# Altium PCB PCB1.PcbDoc
Units mil, origin at the board's own origin, x right, y up, seen from the top; angles counter-clockwise.
Board outline 6000 x 4000 mil, 2 copper layers (Top Layer, Bottom Layer); 11 components, 14 nets, 38 pads, 8 vias.
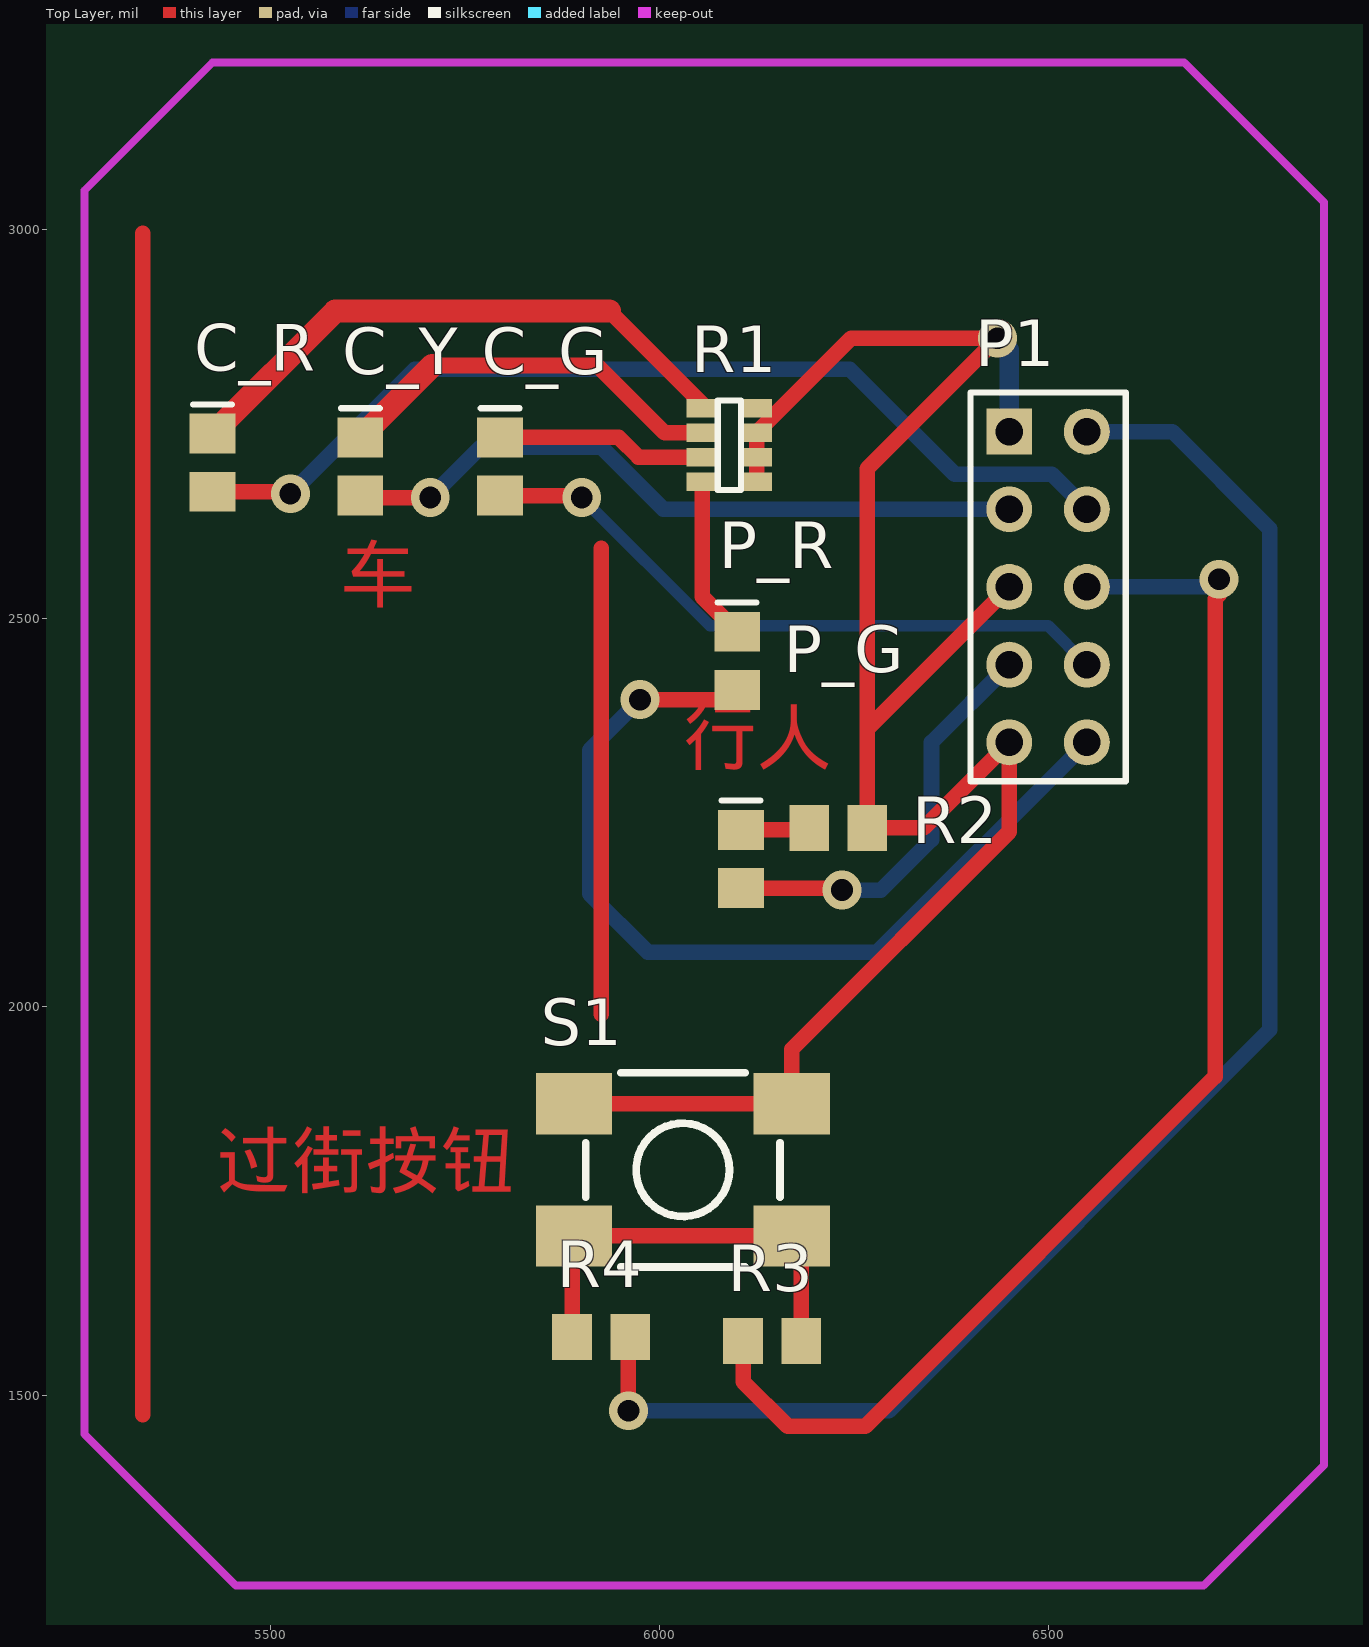
[diagram p0: Top Layer view]
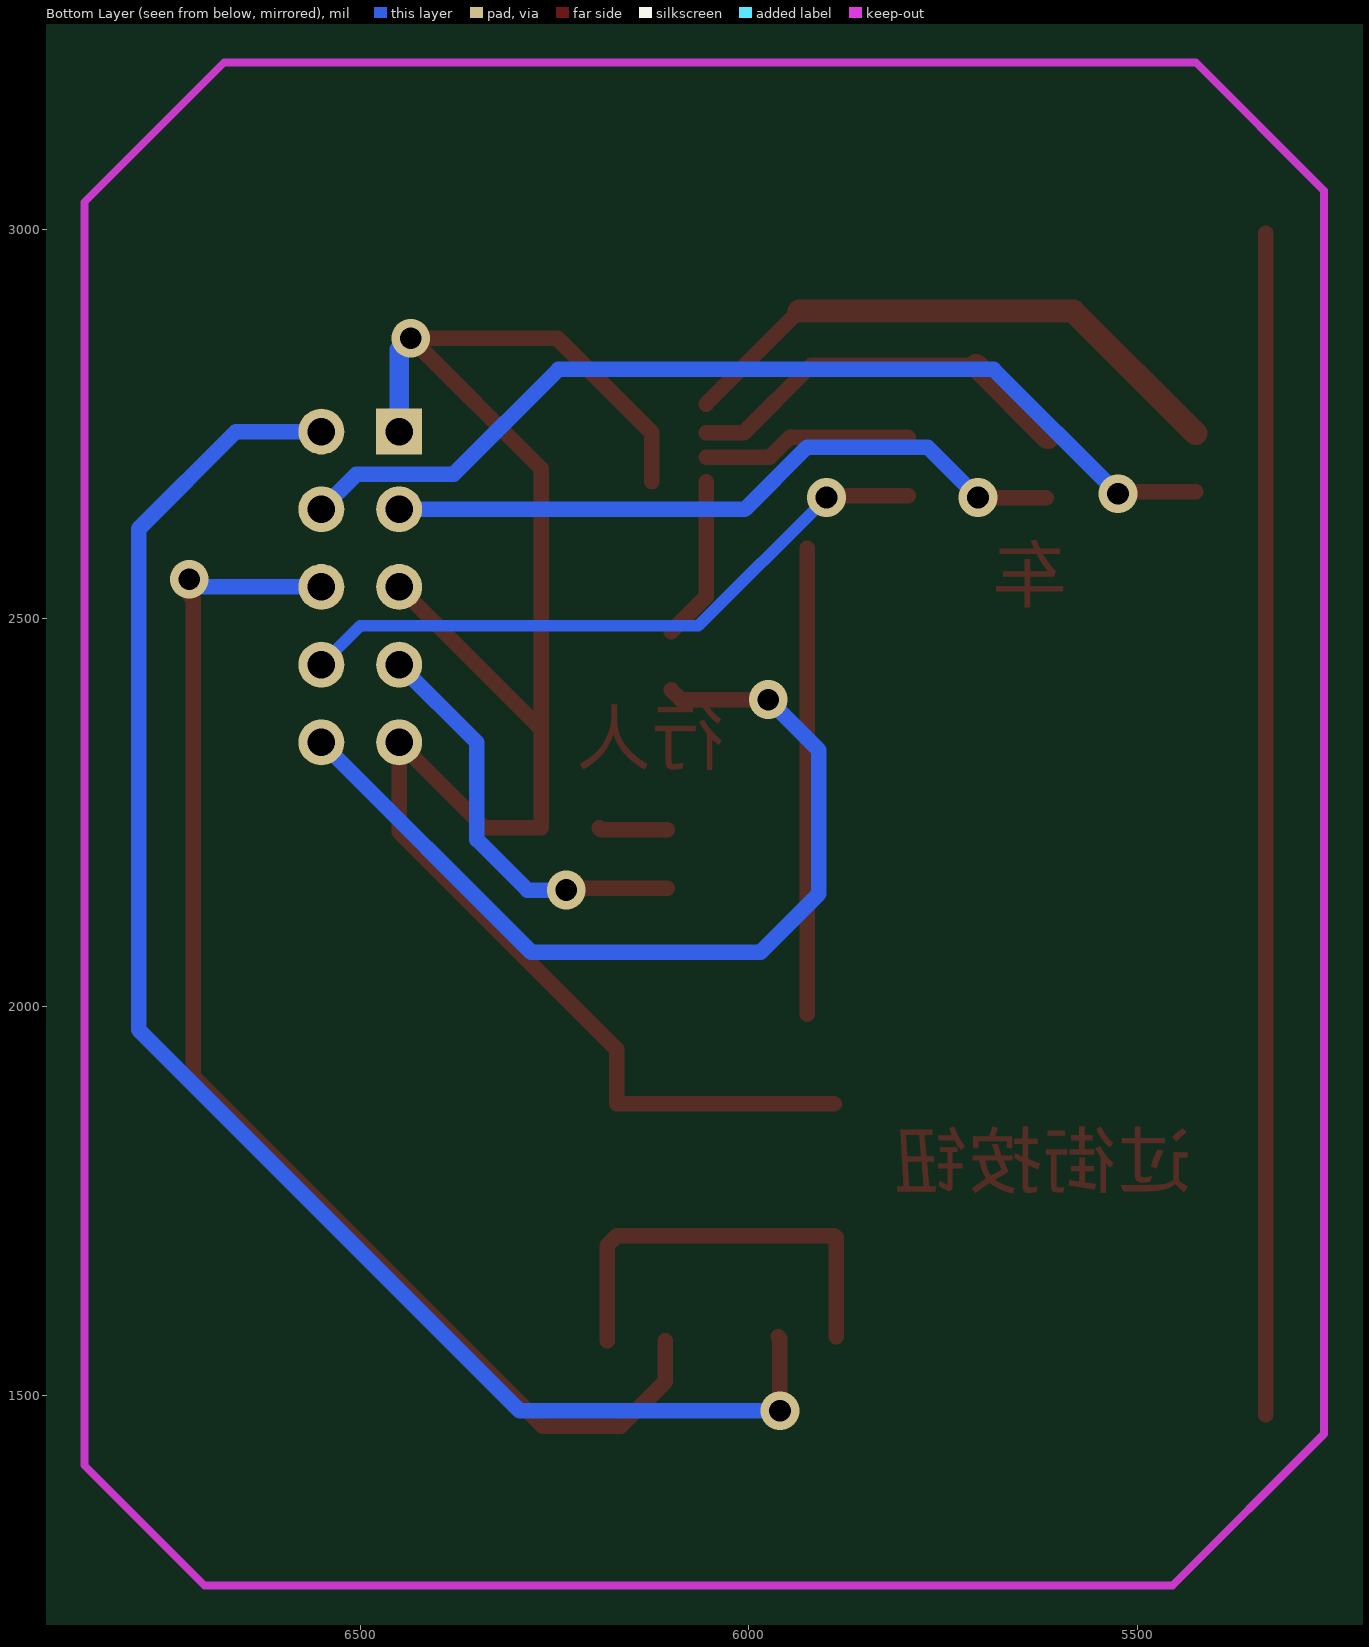
[diagram p1: Bottom Layer view, seen from below]

## Layer stack, top to bottom
Top Solder: solder mask 0.4, Solder Resist, Dk 3.5
Top Layer: signal copper 1.4
Dielectric 1: dielectric 12.6, FR-4, Dk 4.8
Bottom Layer: signal copper 1.4
Bottom Solder: solder mask 0.4, Solder Resist, Dk 3.5

## Board outline
1000,1000 7000,1000 7000,5000 1000,5000

## Design rules (kind name [scope] priority, off if disabled: settings)
Clearance [All] p1: gap=5
PolygonConnect [All] p1: connectstyle=Relief reliefconductorwidth=10 reliefentries=4 polygonreliefangle="90 Angle" airgapwidth=10
RoutingVias [All] p1: holewidth=28 width=50 viastyle="Through Hole" minholewidth=28 minwidth=50 maxholewidth=28 maxwidth=50
SolderMaskExpansion [All] p1: expansion=4
Width [All] p1: maxlimit=30 minlimit=10 preferedwidth=30 minimp=50.000000 maximp=50.000000 favimp=50.000000
30 further rules are at their usual default settings.

## Components (designator, comment, footprint, x,y, rotation, side; value= is the part's Value field where it differs from the comment)
C_G "LED0" LED_0805 5795,2695 r90 top
C_R "LED0" LED_0805 5425,2700 r90 top
C_Y "LED0" LED_0805 5615,2695 r90 top
P1 "Header 5X2" HDR5X2_A1 6450,2740 r270 top
P_G "LED0" LED_0805 6105,2190 r90 top
P_R "LED0" LED_0805 6100,2445 r90 top
R1 "1K" 8P4R_0603 6055,2770 r0 top
R2 "Res1" 0805-2 6230,2230 r0 top
R3 "Res1" 0805-2 6145,1570 r0 top
R4 "Res1" 0805-2 5925,1575 r180 top
S1 "SW-PB4" SW_PB4_A1 6030,1790 r0 top

## Footprints (in the part's own frame and the unit in brackets; to place one, negate y for a bottom-side part, rotate by r counter-clockwise, add the part's x,y. Pads: shape width x height; smd on the part's side, far side on the other; paste and mask are expansions set on the pad)
8P4R_0603 [mm]
  rect 1.016x0.6 smd: 1(0,0) 2(1.778,0) 3(0,-0.8) 4(1.778,-0.8) 5(0,-1.6) 6(1.778,-1.6) 7(0,-2.4) 8(1.778,-2.4)
  silkscreen extent 0.51,-2.67 1.27,0.25
0805-2 [mm] "贴片无丝印"
  rect 1.3x1.5 smd: 1(-0.95,0) 2(0.95,0)
HDR5X2_A1 [mm] "Connector; Header; 5x2 Position"
  rect 1.5x1.5 hole 0.9: 1(0,0)
  round 1.5 hole 0.9: 2(0,2.54) 3(2.54,0) 4(2.54,2.54) 5(5.08,0) 6(5.08,2.54) 7(7.62,0) 8(7.62,2.54) 9(10.16,0) 10(10.16,2.54)
  silkscreen extent -1.27,-1.27 11.43,3.81
LED_0805 [mm] "贴片二极管"
  rect 1.3x1.5 smd: 1(-0.95,0) 2(0.95,0)
  silkscreen extent 1.91,-0.63 1.91,0.64
SW_PB4_A1 [mil]
  rect 98.42x78.74 smd: 1(-140,85) 2(-140,-85) 3(140,-85) 4(140,85)
  silkscreen extent -125,-125 125,125, body extent -125,-125 125,125, height 236

## Part data
C_G C_R C_Y P_G P_R: "发光二极管"
P1: "接插件"
R1: library part res_8p4r
R2 R3 R4: "贴片电阻"
S1: "微动开关"

## Via types
v1: diameter 50, hole 28, Top Layer to Bottom Layer, 8 vias

## Nets (pads, with @x,y where several pads share a name; then routed paths per layer and width w, separated by ;. In a path a pad name is that pad's centre, name@x,y a point inside that pad or via, vN(x,y) a via of type N, cw(c..) or ccw(c..) an arc to the next point about the centre after c; other vN are vias at no path point)
24: C_Y.1 P1.3 | length 892.5
  Top Layer w20: C_Y.1@5617.6,2655 v1(5705,2655)
  Bottom Layer w20: v1(5705,2655) 5770,2720 5925,2720 6005,2640 P1.3
25: C_R.1 P1.4 | length 1263.2
  Top Layer w20: C_R.1 v1@5522.4,2662.6
  Bottom Layer w20: v1(5525,2660) 5685,2820 6245,2820 6380,2685 6505,2685 P1.4
26: P1.6 R3.1 | length 1686.4
  Top Layer w20: R3.1 6107.6,1517.4 6165,1460 6265,1460 6715,1910 6715,2525 6720,2530 v1(6720,2550)
  Bottom Layer w20: P1.6 6710,2540 v1(6720,2550)
27: P1.7 P_G.1 | length 539.4
  Top Layer w20: P_G.1 6232.4,2152.6 v1(6235,2150)
  Bottom Layer w20: v1(6235,2150) 6285,2150 6350,2215 6350,2340 P1.7
28: C_G.1 P1.8 | length 845.1
  Top Layer w20: C_G.1 5897.4,2657.6 v1(5900,2655)
  Bottom Layer w15: v1(5900,2655) 6065,2490 6500,2490 P1.8
30: P1.10 P_R.1 | length 1190
  Top Layer w20: v1(5975,2395) 6087.4,2395 P_R.1
  Bottom Layer w20: v1(5975,2395) 5910,2330 5910,2145 5985,2070 6280,2070 P1.10
+3.3V: P1.2 R4.1 | length 2055.7
  Top Layer w20: v1(5960,1480) 5960,1572.6 R4.1
  Bottom Layer w20: v1(5960,1480) 6295,1480 6785,1970 6785,2615 6660,2740 P1.2
GND: P1.1 P1.5 P1.9 R1.2 R1.4 R1.6 R1.8 R2.2 S1.1 S1.4 | length 2596.3
  Top Layer w20: S1.1 S1.4 6170,1945 6450,2225 P1.9 6340,2230 R2.2 6267.4,2357.4 ; R1.8 R1.6 R1.4 6246.5,2860 v1(6435,2860) 6267.4,2692.4 6267.4,2357.4 ; P1.5 6267.4,2357.4
  Bottom Layer w20: v1(6435,2860) v1@6450,2845
  Bottom Layer w25: P1.1 v1@6450,2845
NetC_G_2: C_G.2 R1.5 | length 270.5
  Top Layer w20: C_G.2 5947.6,2732.4 5972.99,2707.01 R1.5
NetC_R_2: C_R.2 R1.1 | length 744.9
  Top Layer w20: 5935.31,2895 R1.1@6055,2775.32
  Top Layer w30: C_R.2 5582.6,2895 5935.31,2895
NetC_Y_2: C_Y.2 R1.3 | length 514.2
  Top Layer w20: 5707.6,2825 5920,2825 6006.5,2738.5 R1.3
  Top Layer w30: C_Y.2 5707.6,2825
NetP_G_2: P_G.2 R2.1 | length 88.7
  Top Layer w20: P_G.2 6190,2227.4 R2.1
NetP_R_2: P_R.2 R1.7 | length 211.7
  Top Layer w20: R1.7 6055,2527.4 P_R.2
NetR3_2: R3.2 R4.2 S1.2 S1.3 | length 551.1
  Top Layer w20: R4.2 5887.6,1702.6 S1.2 S1.3 6182.4,1692.6 R3.2
copper on no net: | length 2120
  Top Layer w20: 5335,1475 5335,2995 ; 5925,1990 5925,2590

## Keep-outs
Keep-Out Layer:
  lines w10: 5930,1255 6700,1255 6855,1410 6855,3035 6675,3215 5460,3215 5425,3215 5260,3050 5260,1450 5455,1255 5940,1255

## Other copper
Top Layer:
  text "车" at 5590,2500 h120
  text "行人" at 6030,2290 h120
  text "过街按钮" at 5430,1745 h120